# Altium PCB iMX53_BB_PCB_V1I2.PcbDoc (part 1 of 9) (continued)
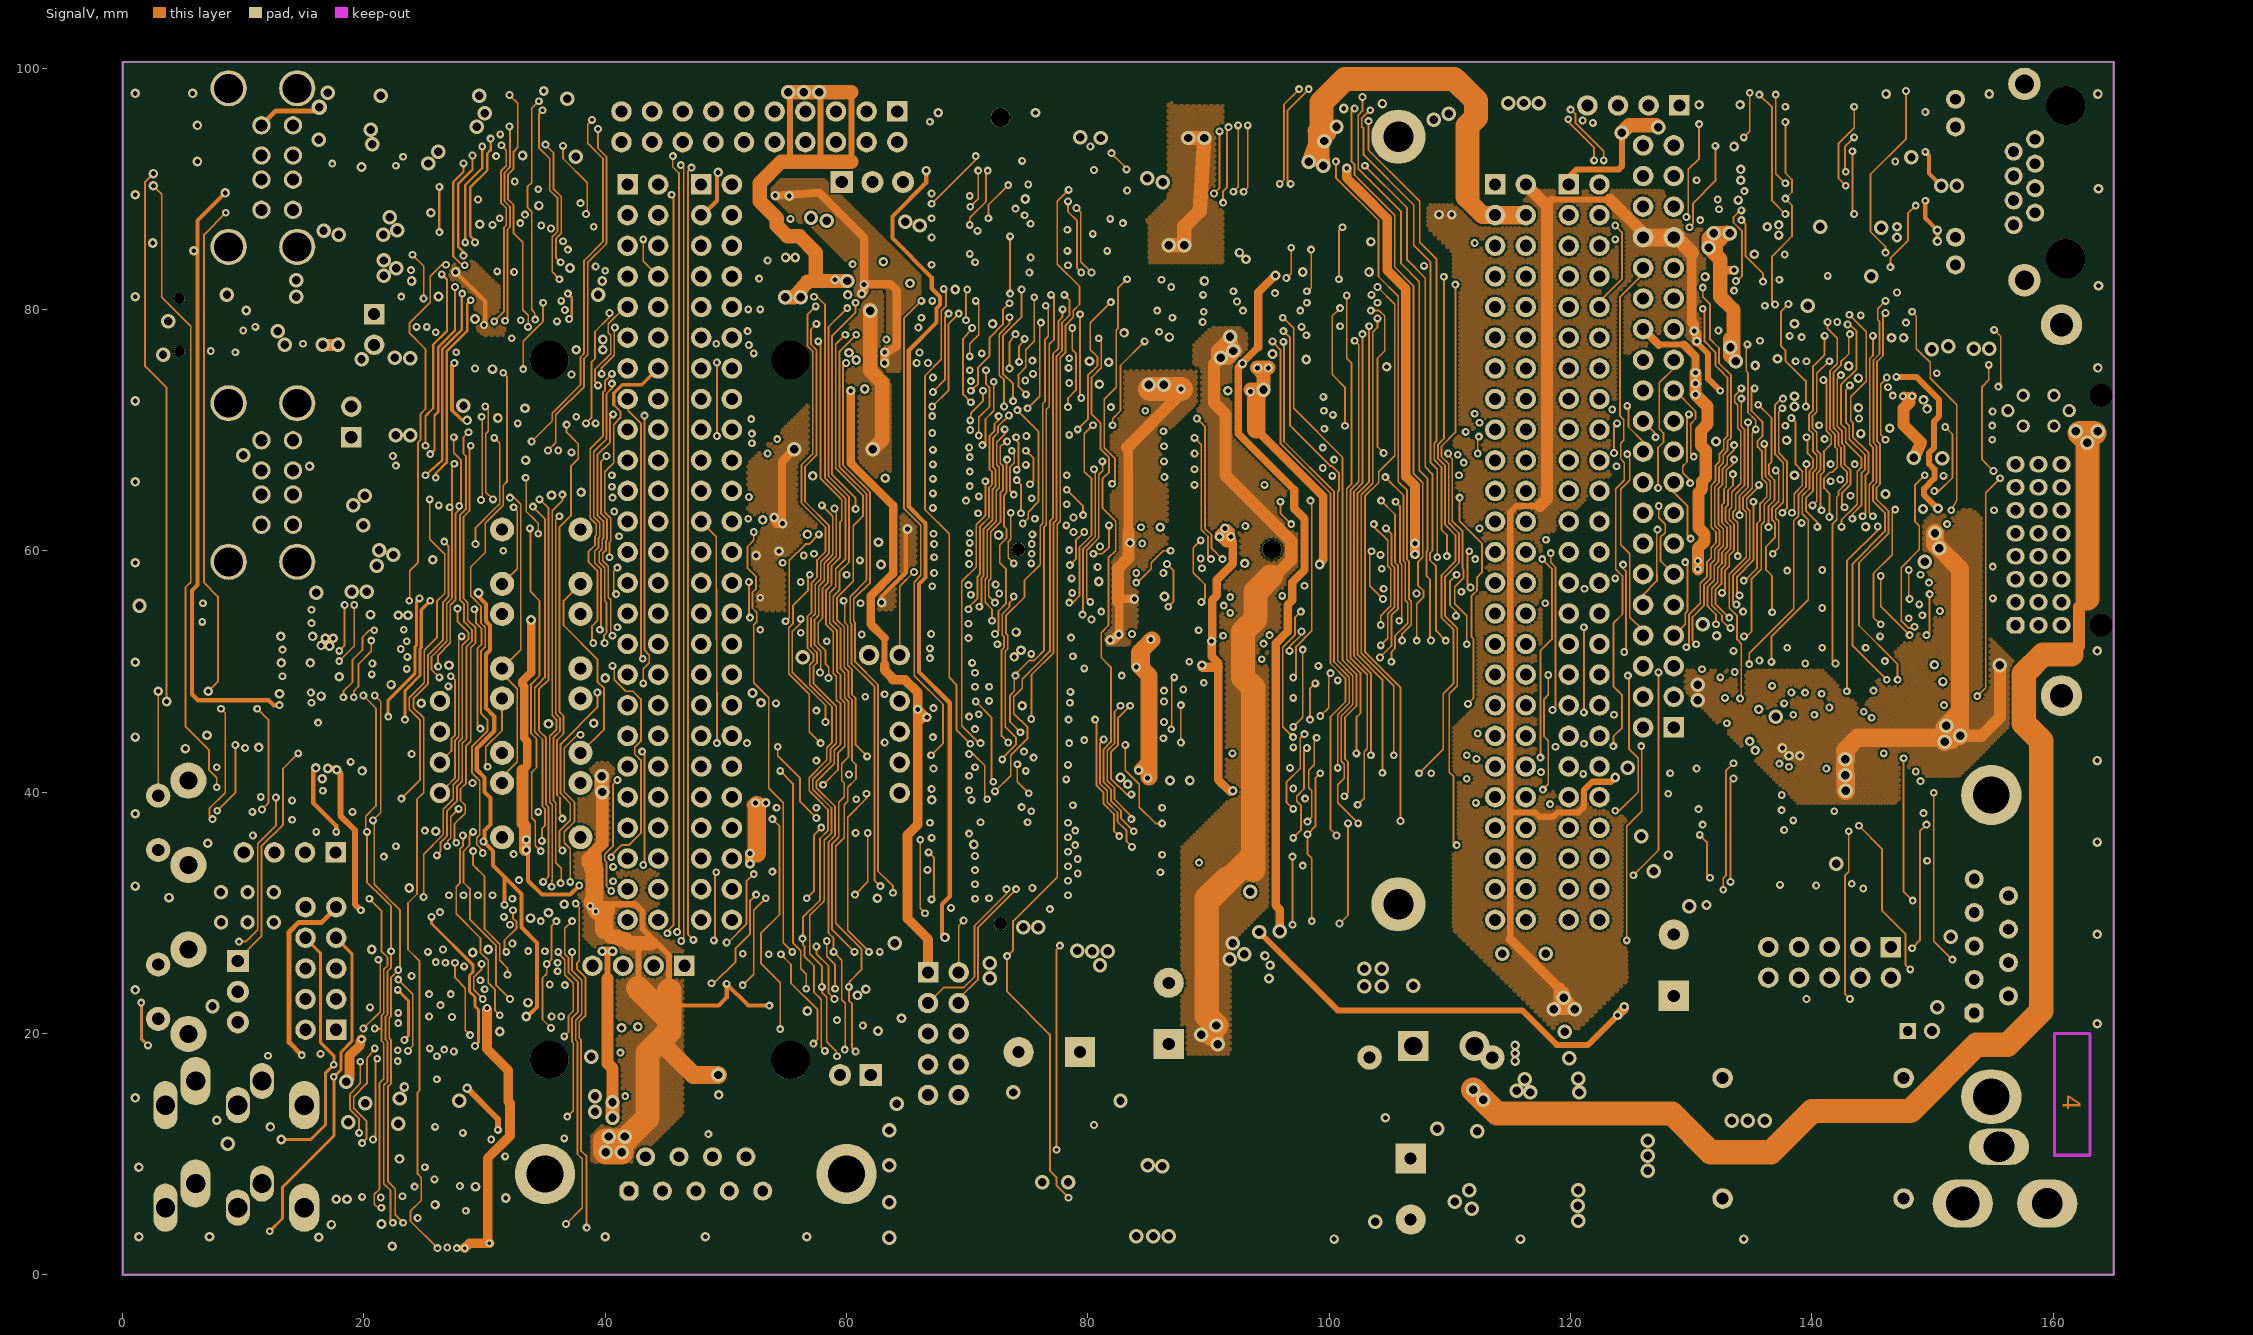
[diagram p4: SignalV]
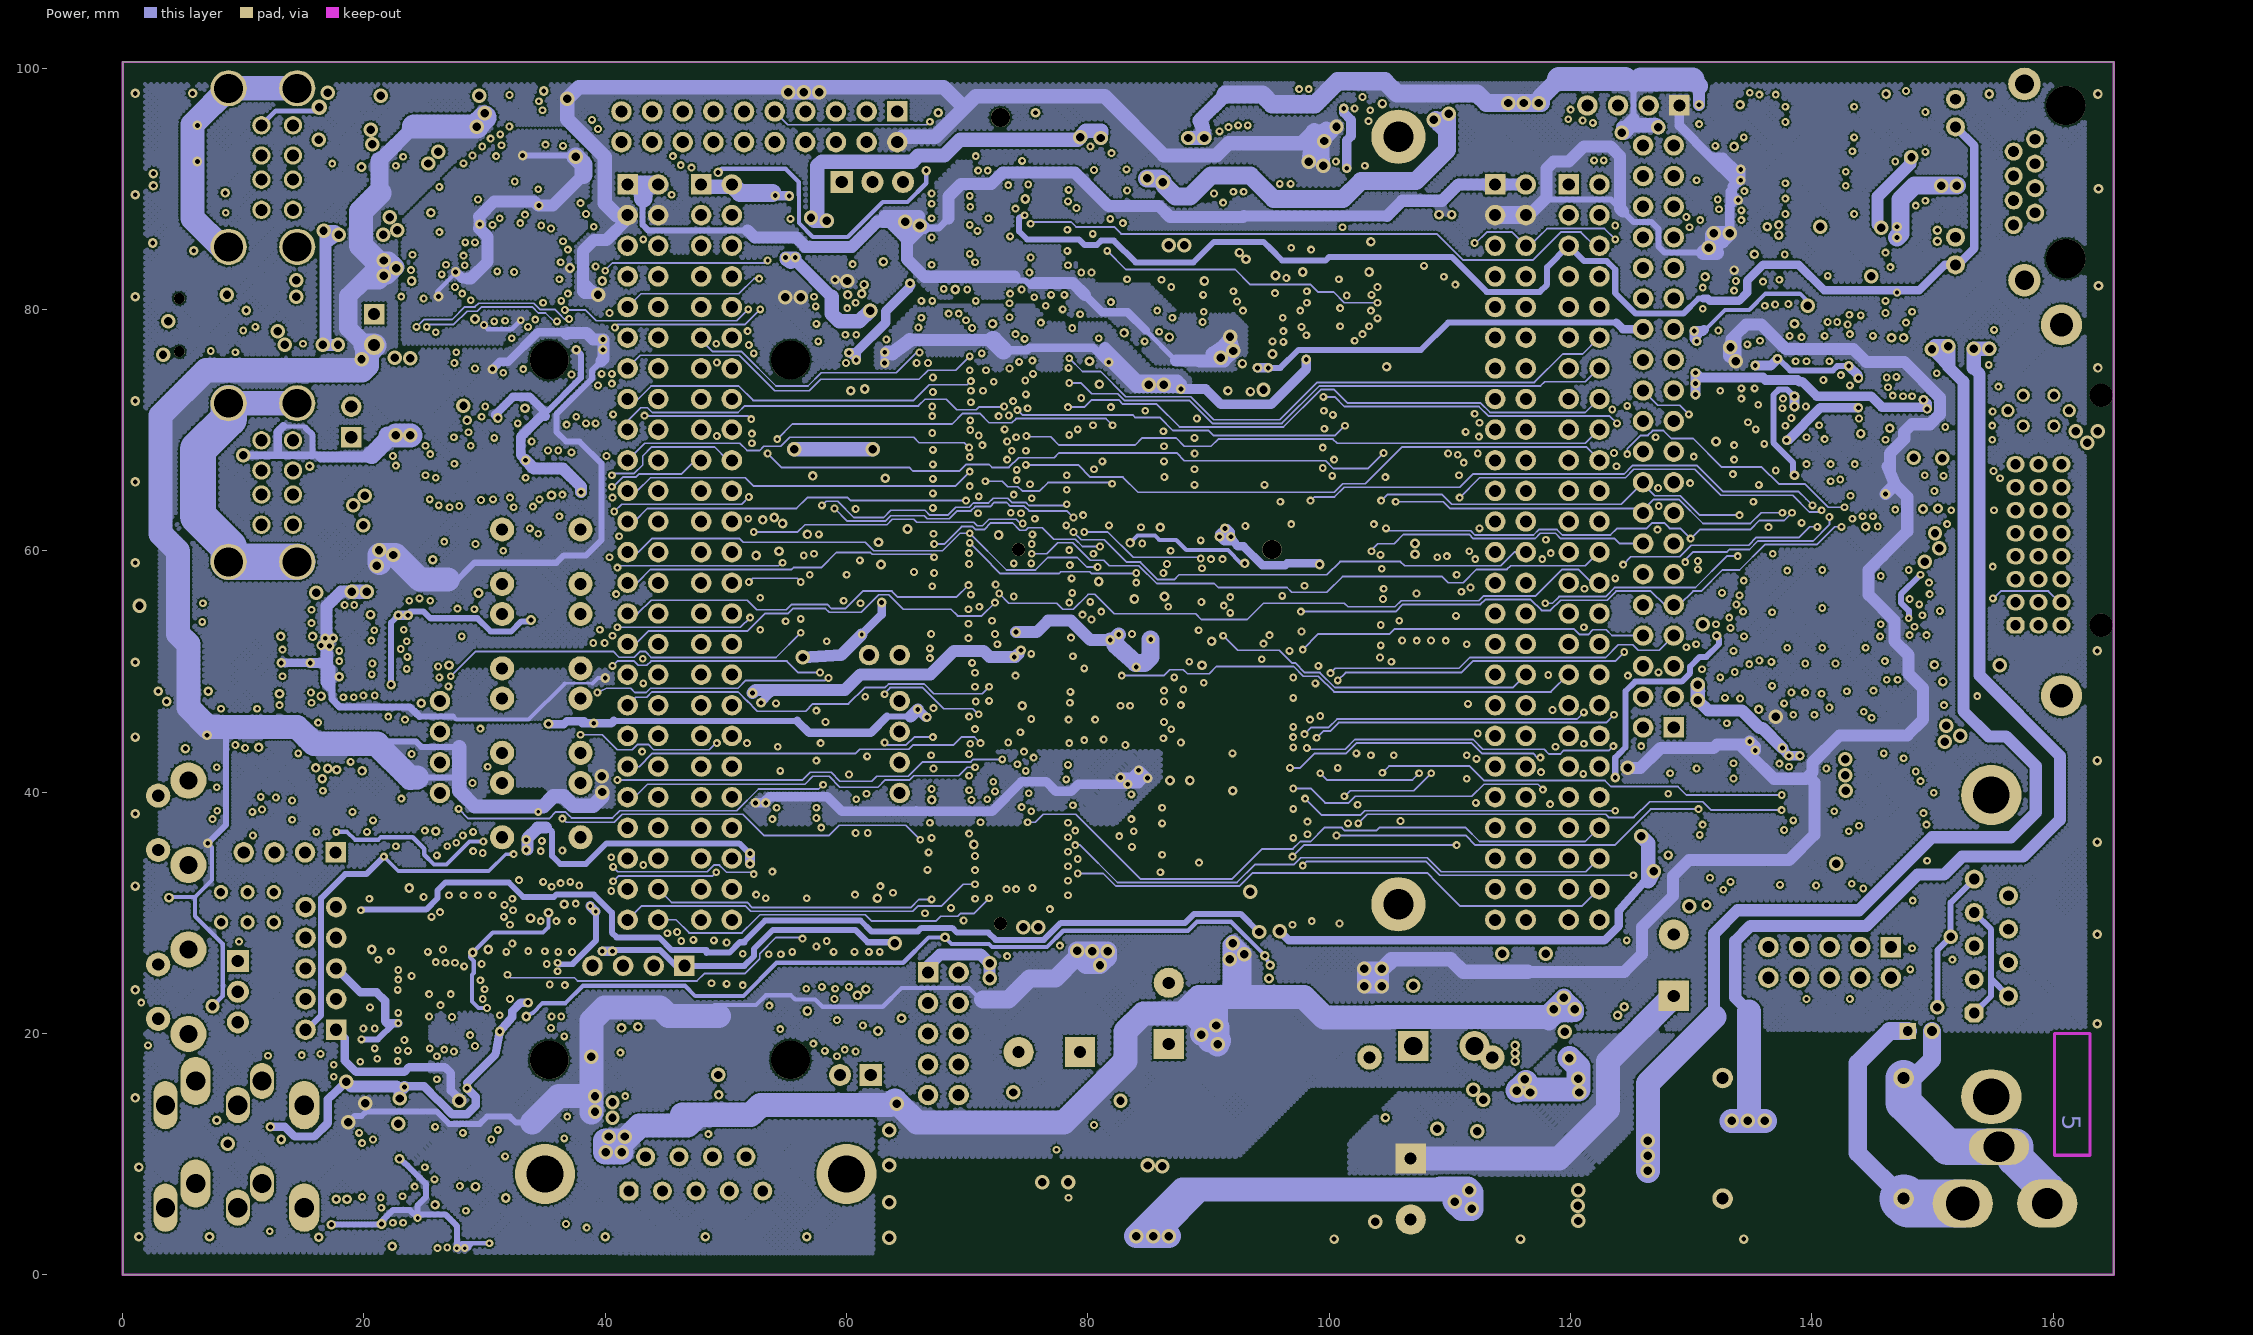
[diagram p5: Power]

## Layer stack, top to bottom
Top: signal copper 0.036
Dielectric: core 0.32, FR-4, Dk 4.8
GND: signal copper 0.036
Dielectric: prepreg 0.32, FR-4, Dk 4.8
SignalH: signal copper 0.036
Dielectric: core 0.32, FR-4, Dk 4.8
SignalV: signal copper 0.036
Dielectric: prepreg 0.32, FR-4, Dk 4.8
Power: signal copper 0.036
Dielectric: core 0.32, FR-4, Dk 4.8
Bottom: signal copper 0.036

## Board outline
0,0 165,0 165,100.5 0,100.5 0,0

## Design rules (kind name [scope] priority, off if disabled: settings)
AcuteAngle [OnLayer('Top Layer')] p1 off: minimum=9.00000000000000E+0001
Clearance "MID VCC Polygon keep" [OnLayer('Keep-Out Layer') vs (OnLayer('Power') AND (InNet('VUSB') OR InNet('VEPR') OR InNet('5V')OR InNet('PWR3')OR InNet('3V3') OR InNet('VMMC') OR InNet('VDDA') OR InNet('VAUD') OR InNet('VIN') OR InNet('VIO')) AND (IsArc OR IsTrack))] p1 off: gap=2.5
Clearance "TOP polygon" [((OnLayer('Top') OR OnLayer('Multi-Layer'))AND (IsVia OR IsPad OR IsTrack OR IsArc)) vs (OnLayer('Top') AND (InNet('CASE_GND') OR InNet('GND') OR InNet('VSSA') OR InNet('RFGND') OR InNet('VGND')) AND (IsArc OR IsTrack))] p2 off: gap=0.4
Clearance MID_VCC_polygon [((OnLayer('GND') OR OnLayer('Power') OR OnLayer('SignalV') OR OnLayer('Multi-Layer')) AND (IsVia OR IsPad OR IsTrack OR IsArc)) vs ((OnLayer('Power') OR OnLayer('SignalV') OR OnLayer('Bottom')) AND (InNet('VUSB') OR InNet('VEPR') OR InNet('5V')OR InNet('PWR3')OR InNet('3V3') OR InNet('VMMC') OR InNet('VDDA') OR InNet('VAUD') OR InNet('VIN') OR InNet('VIO') OR InNet('VSCR') OR InNet('VDVI')) AND (IsArc OR IsTrack))] p3 off: gap=0.2
Clearance "BOT Polygon keep" [OnLayer('Keep-Out Layer') vs (OnLayer('Bottom') AND (InNet('GND')) AND (IsArc OR IsTrack))] p4 off: gap=0.4
Clearance "TOP Polygon keep" [OnLayer('Keep-Out Layer') vs (OnLayer('Top') AND (InNet('GND')) AND (IsArc OR IsTrack))] p5 off: gap=0.35
Clearance "MID polygon" [((OnLayer('GND') OR OnLayer('Multi-Layer'))AND (IsVia OR IsPad OR IsTrack OR IsArc)) vs (OnLayer('GND') AND (InNet('CASE_GND') OR InNet('GND') OR InNet('VSSA') OR InNet('RFGND') OR InNet('VGND')) AND (IsArc OR IsTrack))] p6 off: gap=0.35
Clearance "MID Polygon keep" [OnLayer('Keep-Out Layer') vs (OnLayer('GND') AND (InNet('CASE_GND') OR InNet('GND') OR InNet('VSSA') OR InNet('RFGND') OR InNet('VGND')) AND (IsArc OR IsTrack))] p7 off: gap=0.35
Clearance "BOT polygon" [((OnLayer('Bottom') OR OnLayer('Multi-Layer'))AND (IsVia OR IsPad OR IsTrack OR IsArc)) vs (OnLayer('Bottom') AND (InNet('CASE_GND') OR InNet('GND') OR InNet('VSSA') OR InNet('RFGND') OR InNet('VGND')) AND (IsArc OR IsTrack))] p8 off: gap=0.3
Clearance [All] p9: gap=0.15
ComponentClearance [All] p1: gap=0.254 collisioncheckmode=0 verticalgap=0.254
HoleSize [All] p1: absolutevalues=TRUE maxlimit=3.2 minlimit=0.3 maxpercent=80.000 minpercent=20.000
PlaneClearance [All] p1: clearance=0.35
PlaneConnect [All] p1: planeconnectstyle=Relief reliefexpansion=0.5 reliefentries=4 reliefconductorwidth=0.25 reliefairgap=0.25
PolygonConnect [All] p1: connectstyle=Direct reliefconductorwidth=0.5 reliefentries=4 polygonreliefangle="90 Angle"
RoutingLayers Power1_1 [InNetClass('Power1')] p1: top layer_v5=TRUE mid layer 1_v5=TRUE mid layer 2_v5=FALSE mid layer 3_v5=FALSE mid layer 4_v5=TRUE bottom layer_v5=TRUE
RoutingLayers GND [InNet('GND')] p2: top layer_v5=TRUE mid layer 1_v5=TRUE mid layer 2_v5=FALSE mid layer 3_v5=FALSE mid layer 4_v5=FALSE bottom layer_v5=TRUE
RoutingLayers [All] p3: top layer_v5=TRUE mid layer 1_v5=FALSE mid layer 2_v5=TRUE mid layer 3_v5=TRUE mid layer 4_v5=FALSE bottom layer_v5=TRUE
RoutingTopology [All] p1: topology=Vertical
RoutingVias "Power vias" [InNetClass('Power1')] p1: holewidth=0.4 width=0.8 viastyle="Through Hole" minholewidth=0.3 minwidth=0.65 maxholewidth=0.7 maxwidth=1.2
RoutingVias [All] p2: holewidth=0.3 width=0.65 viastyle="Through Hole" minholewidth=0.3 minwidth=0.65 maxholewidth=2.5 maxwidth=3
SMDNeckDown [All] p1: percent=130.000
SolderMaskExpansion [All] p1: expansion=0.05
TestPointUsage [All] p1: valid=0 allowmultiple=FALSE
Testpoint [All] p1: side=15 testpointundercomponent=TRUE minsize=1.016 maxsize=2.54 preferedsize=1.524 minholesize=0 maxholesize=1.016 preferedholesize=0.813 testpointgrid=0.025 style=1023 order=0123456789
Width Power1 [InNetClass('Power1')] p1: maxlimit=5 minlimit=0.3 preferedwidth=0.35 toplayer_prefwidth=0.3 midlayer1_minwidth=0.35 midlayer2_minwidth=0.35 midlayer3_minwidth=0.35 midlayer4_minwidth=0.35 bottomlayer_minwidth=0.35 minimp=50.000000 maximp=50.000000 favimp=50.000000
Width [All] p2: maxlimit=5 minlimit=0.15 preferedwidth=0.15 toplayer_prefwidth=0.25 minimp=50.000000 maximp=50.000000 favimp=50.000000
13 further rules are at their usual default settings.

## Classes and differential pairs
net class EIM_A[16..26]: EIM_A16 EIM_A17 EIM_A18 EIM_A19 EIM_A20 EIM_A21 EIM_A22 EIM_A23 EIM_A24 EIM_A25 EIM_A26
net class LDD[0..23]: LDD0 LDD1 LDD2 LDD3 LDD4 LDD5 LDD6 LDD7 LDD8 LDD9 LDD10 LDD11 LDD12 LDD13 LDD14 LDD15 LDD16 LDD17 LDD18 LDD19 LDD20 LDD21 LDD22 LDD23
net class GPIO[0..11]: GPIO0 GPIO1 GPIO2 GPIO3 GPIO4 GPIO5 GPIO6 GPIO7 GPIO8 GPIO9 GPIO10 GPIO11
net class EIM_DA[0..15]: EIM_DA0 EIM_DA1 EIM_DA2 EIM_DA3 EIM_DA4 EIM_DA5 EIM_DA6 EIM_DA7 EIM_DA8 EIM_DA9 EIM_DA10 EIM_DA11 EIM_DA12 EIM_DA13 EIM_DA14 EIM_DA15
net class DISP1_DAT[0..23]: DISP1_DAT0 DISP1_DAT1 DISP1_DAT2 DISP1_DAT3 DISP1_DAT4 DISP1_DAT5 DISP1_DAT6 DISP1_DAT7 DISP1_DAT8 DISP1_DAT9 DISP1_DAT10 DISP1_DAT11 DISP1_DAT12 DISP1_DAT13 DISP1_DAT14 DISP1_DAT15 DISP1_DAT16 DISP1_DAT17 DISP1_DAT18 DISP1_DAT19 DISP1_DAT20 DISP1_DAT21 DISP1_DAT22 DISP1_DAT23
net class CSI1_D[0..7]: CSI1_D0 CSI1_D1 CSI1_D2 CSI1_D3 CSI1_D4 CSI1_D5 CSI1_D6 CSI1_D7
component class imxbbusb: B400 B401 B402 B403 B404 C400 C401 C402 C403 C404 C405 C406 C407 C408 C409 C410 C411 C412 C413 C414 C415 C417 C419 C420 C421 C422 C423 C424 H400 H401 J400 J401 J402 L400 L401 L402 L403 L404 L405 L406 L407 L408 L409 R400 R401 R402 R403 R404 R405 R406 R407 R408 R409 R410 R411 R412 R413 R414 R415 R416 R417 R418 R419 TP400 TP401 U400 U401 U402 U403 X400
component class imxbbpwr: B900 C900 C901 C902 C903 C904 C905 C906 C907 C908 C909 C910 C911 C912 C913 C914 C915 C916 C917 C918 C919 C920 C921 C922 C923 C924 C925 C926 C927 C928 D900 D901 D902 D903 D904 D905 H900 H902 J900 J901 L900 L901 L902 L903 L904 L905 L906 L907 L908 L909 P900 R900 R901 R902 R902P R903 R904 R905 R906 R907 R908 R909 R910 R912 SW900 SW901 SW902 SW903 SW904 SW905 T900 T901 TP900 TP901 TP902 TP903 U900 U901 U903 U904 X900 X901 ZD900
component class imxbbmmc: C600 C601 C602 C603 C604 C605 C606 C607 C608 C609 C610 C611 C612 C613 C614 C615 C616 C618 C619 C620 C621 C622 C623 C624 C625 C626 C627 C628 C629 C630 C631 C632 C633 C634 C635 C636 C637 J600 J601 J602 R600 R601 R602 R603 R604 R605 R606 R607 R608 R609 R610 R611 R612 R613 R614 R615 R616 R617 R618 R619 R620 R621 R622 R623 R624 R625 R626 R627 R631 R632 TP600 TP601 TP602 TP603 TP604 TP605 U600 U601 U602 U603 U604 U605 X600
component class imxbblcd: C200 C201 C202 C203 C204 C205 C206 C207 C208 C209 C210 C211 C212 C213 C214 C215 C216 C217 C218 C219 C220 C221 C222 C223 C224 C225 C226 H200 L200 L202 L203 L204 L205 L206 LH200 R200 R201 R202 R203 R204 R205 R206 R207 R208 R209 R210 R211 R212 R213 R214 R215 RN200 RN201 RN202 RN203 RN204 RN205 RN206 RN207 T200 T201 T202 T203 TP200 TP201 U200 U201 U202 U203 U204 U205 U206 U207 U208
component class imxbbdvi: B700 B701 B702 B703 B704 C700 C701 C702 C703 C704 C705 C706 C707 C708 C709 C710 C711 C712 C713 C714 C715 H700 J700 L700 L701 L702 L703 L704 L705 L706 R700 R701 R702 R703 R704 R705 R706 R707 R708 R709 R710 R711 R712 R713 R714 R715 R716 R717 R718 R719 R720 R722 R723 R724 R725 R726 R727 R728 TP700 TP701 U700 U701 U702
component class imxbbdimm: C100 C101 C102 C103 C104 C105 C106 C107 C108 C109 C110 C111 H100 H101 H102 H103 K100 R100 R101 R102 TP100 TP101 TP102 TP103 TP104 TP105
component class imxbbaudio: C300 C301 C302 C303 C304 C305 C306 C307 C308 C309 C310 C311 C312 C313 C314 C315 C316 C317 C318 C319 C320 C321 C322 C323 C324 C325 C326 C327 C328 C329 C330 C331 C333 C334 C335 C336 C337 C338 C340 H300 J300 J301 L300 L301 L302 L303 L304 L305 L306 L308 L309 L310 L311 L312 R300 R301 R302 R303 R304 R305 R306 R307 R308 R309 R310 R311 R312 R313 R314 R315 R316 R317 R318 R319 R320 R321 R322 TP300 TP301 U300 U301 U302 U303 U304 X300 Y300
component class imxbb232: C500 C501 C502 C503 C504 C505 C506 C507 C508 C509 C510 C511 C512 C513 C514 C515 C516 C517 C518 C519 C520 C521 C522 C523 C524 C525 C526 C527 H500 H501 J500 L500 L501 L502 L503 L504 L505 L506 L507 L508 L509 R500 R501 TP500 TP501 TP502 TP503 U500 U501 U502 U503 U504 U505 U506
component class imxbbnet: B800 C800 C801 C802 C803 C804 C805 C806 C807 C808 C809 H800 H801 J800 J801 L800 L801 L802 LD800 LD801 R800 R801 R802 R803 R804 R805 R806 R807 R808 R809 R810 R811 R812 R813 R814 R815 R816 R817 R818 R819 R820 T800 TP800 TP801 TR800 TS800 U800 U801 X800

## Components (designator, comment, footprint, x,y, rotation, side; value= is the part's Value field where it differs from the comment)
B400 "BGX50A" SOT143 10.45,78.4 r180 bottom
B401 "BGX50A" SOT143 22.95,92.45 r180 bottom
B402 "BGX50A" SOT143 17,91.7 r180 bottom
B403 "BGX50A" SOT143 22.45,67.6 r270 bottom
B404 "BGX50A" SOT143 17.2,65.5 r180 bottom
B700 "BGX50A" SOT143 163.1,56.65 r270 bottom
B701 "BGX50A" SOT143 153.05,57.35 r180 bottom
B702 "BGX50A" SOT143 153.05,54.15 r180 bottom
B703 "BGX50A" SOT143 163.1,64.3 r270 bottom
B704 "BGX50A" SOT143 154.3,63.3 r0 bottom
B800 "B82790S 51uH" B82790 42.75,20.95 r180 top
B900 "BR1225" BR1225 113.5,18 r180 top
C100 "NFM18PC105R0J3" NFM18P 80.3,92.55 r0 top
C101 "NFM18PC105R0J3" NFM18P 80.7,90.6 r0 top
C102 "NFM18PC105R0J3" NFM18P 81.9,89.1 r0 top
C103 "10u" 0805 135.3,85.7 r180 top
C104 "10u" 0805 31.3,76 r180 top
C105 "10u" 0805 138.4,78.9 r180 top
C106 "10u" 0805 53.65,80 r90 top
C107 "10u" 0805 110.45,93.5 r0 top
C108 "10u" 0805 84.6,76.35 r0 top
C109 "10u" 0805 148.1,64.9 r180 top
C110 "10u" 0805 55.3,90.5 r180 top
C111 "10u" 0805 76.15,26.1 r0 top
C200 "10u" 0805 150.55,72.9 r270 top
C201 "100n" 0603 149,74.4 r270 top
C202 "100n" 0603 147.7,74.4 r270 top
C203 "100n" 0603 147.2,67.5 r270 top
C204 "100n" 0603 145.9,67.5 r270 top
C205 "10u" 0805 147.7,71 r90 top
C206 "10u" 0805 12.2,23.85 r270 top
C207 "100n" 0603 92.5,74.05 r0 top
C208 "100n" 0603 88.5,74.1 r180 top
C209 "10u" 0805 110.5,13.15 r90 bottom
C210 "100n" 0603 113.75,12.7 r90 bottom
C211 "10u" 0805 115.8,24.05 r270 bottom
C212 "100n" 0603 117.55,24 r270 bottom
C213 "100n" 0603 98.4,59.8 r0 top
C214 "100n" 0603 93.05,60.55 r270 top
C215 "100n" 0603 132.35,51.15 r90 bottom
C216 "150p" 0603 153,73.6 r0 top
C217 "150p" 0603 152.95,67.1 r0 top
C218 "100n" 0603 89.2,51.65 r0 top
C219 "100n" 0603 86,51.65 r180 top
C220 "100n" 0603 89.25,41.9 r0 top
C221 "100n" 0603 85.95,41.9 r180 top
C222 "10u" 3216A 131.95,66.45 r270 top
C223 "10u" 3216A 131.85,56.85 r90 top
C224 "100n" 0603 12.05,20.5 r90 top
C225 "100n" 0603 7.2,91.75 r90 bottom
C226 "10u" 0805 4.2,85.5 r0 bottom
C300 "100n" 0603 33.55,33.5 r90 bottom
C301 "100n" 0603 36.3,28.1 r180 bottom
C302 "100n" 0603 21.8,21.35 r90 top
C303 "6p8" 0603 31.05,18.1 r0 top
C304 "1u" 0603 21.1,24.35 r0 top
C305 "100n" 0603 31.15,23.3 r270 top
C306 "1u" 0603 21.1,25.7 r0 top
C307 "150p" 0603 2.9,16.85 r0 bottom
C308 "150p" 0603 8.95,16.7 r0 bottom
C309 "1u" 0603 21.1,17.2 r0 top
C310 "1u" 0603 21.1,18.6 r0 top
C311 "100n" 0603 26.05,16.35 r90 top
C312 "22n" 0603 27.05,32.85 r270 bottom
C313 "22n" 0603 29.45,32.85 r270 bottom
C314 "22n" 0603 28.25,32.85 r270 bottom
C315 "22n" 0603 30.65,32.85 r270 bottom
C316 "150p" 0603 6.7,10.65 r180 bottom
C317 "150p" 0603 9.05,8.9 r270 bottom
C318 "10u" 0805 25.45,13.85 r0 top
C319 "1u" 0603 28.8,17.45 r270 top
C320 "100n" 0603 30.3,12.6 r180 top
C321 "100n" 0603 24.4,16.35 r90 top
C322 "100n" 0603 30.1,20.3 r90 top
C323 "100n" 0603 32.1,32.85 r90 bottom
C324 "100n" 0603 28.8,28.05 r180 bottom
C325 "100n" 0603 27.6,5.3 r270 top
C326 "10u" 0805 29.2,5.55 r270 top
C327 "100n" 0603 30.9,5.5 r270 top
C328 "100n" 0603 27.35,11.75 r270 bottom
C329 "330n" 0603 30.9,9 r270 top
C330 "330n" 0603 29.55,10.4 r270 top
C331 "100n" 0603 24.85,35.65 r0 top
C333 "10u" 0805 31.75,25.85 r0 top
C334 "100n" 0603 32.75,38.1 r0 bottom
C335 "100p" 0603 20.5,9.1 r90 top
C336 "24p" 0603 19.25,7.9 r270 top
C337 "100n" 0603 24.85,10.4 r270 bottom
C338 "NFM18PC105R0J3" NFM18P 23.55,10.6 r270 bottom
C340 "10u" 0805 22.2,3.1 r180 top
C400 "100u" CTANTALD 17,78.7 r270 top
C401 "100u" CTANTALD 11.8,78.65 r270 top
C402 "100n" 0603 7.25,78.7 r90 bottom
C403 "10u" 0805 17.4,80.6 r270 bottom
C404 "100u" CTANTALD 18.95,93.5 r270 top
C405 "100u" CTANTALD 23.7,93.5 r270 top
C406 "100u" CTANTALD 18.75,62.85 r90 top
C407 "100u" CTANTALD 23.45,67.85 r90 top
C408 "100n" 0603 38.3,86.2 r180 bottom
C409 "100n" 0603 38.75,83.45 r270 bottom
C410 "10u" 0805 38.75,83.45 r270 top
C411 "100n" 0603 32.2,91.9 r0 bottom
C412 "100n" 0603 25.65,81.95 r0 top
C413 "100n" 0603 26.8,79.55 r90 bottom
C414 "100n" 0603 32.45,82.35 r0 bottom
C415 "1u" 0603 105.35,85.85 r90 top
C417 "100n" 0603 27.85,91.15 r180 bottom
C419 "1u" 0603 32.55,89.2 r0 bottom
C420 "100n" 0603 27.85,87.25 r0 bottom
C421 "1u" 0603 32.15,77.65 r0 top
C422 "100n" 0603 31.5,80.2 r0 bottom
C423 "33p" 0603 27.8,88.6 r0 bottom
C424 "33p" 0603 36.3,88.9 r180 bottom
C500 "150p" 0603 141.85,30.75 r90 top
C501 "150p" 0603 140.35,30.75 r270 top
C502 "150p" 0603 141,21.85 r0 top
C503 "150p" 0603 138.05,21.85 r180 top
C504 "150p" 0603 150.4,24.4 r90 top
C505 "150p" 0603 150.4,27.2 r270 top
C506 "150p" 0603 149,27.4 r270 top
C507 "150p" 0603 150.4,30 r270 top
C508 "100n" 0603 90.85,84.55 r180 top
C509 "100n" 0603 94.85,84.55 r0 top
C512 "100n" 0603 62.25,83 r180 top
C513 "100n" 0603 60.25,74.25 r180 top
C514 "100n" 0603 138.25,35.25 r270 top
C515 "100n" 0603 126.55,34.85 r180 top
C516 "100n" 0603 147.75,34.7 r270 top
C517 "100n" 0603 147.75,37.9 r270 top
C518 "100n" 0603 136.55,35.35 r270 top
C519 "100n" 0603 136.55,38.45 r270 top
C520 "100n" 0603 145.75,31.55 r0 top
C521 "100n" 0603 147.75,40.9 r270 top
C522 "100n" 0603 130.95,31.9 r0 top
C523 "100n" 0603 136.55,41.75 r270 top
C524 "10u" 0805 65.25,83.9 r270 top
C525 "10u" 0805 127.2,31.9 r180 top
C526 "100n" 0603 99.05,74.55 r180 top
C527 "100n" 0603 102.8,74.55 r0 top
C600 "100n" 0603 29.3,73.4 r0 bottom
C601 "100n" 0603 34.5,66.7 r90 bottom
C602 "100n" 0603 22.85,47.35 r180 top
C603 "100n" 0603 16.95,54.7 r270 bottom
C604 "100n" 0603 14.3,50.5 r90 bottom
C605 "100n" 0603 16.5,50.25 r90 bottom
C606 "100n" 0603 80.925,76.475 r0 top
C607 "10u" 0805 53.5,60.45 r270 top
C608 "10u" 0805 58.4,51.5 r180 top
C609 "100n" 0603 53.5,60.5 r270 bottom
C610 "100n" 0603 63.8,58.15 r270 bottom
C611 "10u" 0805 66.05,60.3 r90 top
C612 "100n" 0603 66.05,60.3 r90 bottom
C613 "2u2" 0603 61.05,42.05 r0 top
C614 "1u" 0603 60.05,46.55 r180 top
C615 "100n" 0603 59.05,42.85 r90 top
C616 "100n" 0603 60.05,47.85 r180 top
C618 "100n" 0603 65.45,54.5 r180 top
C619 "100n" 0603 65.45,55.85 r180 top
C620 "100n" 0603 60.15,56.9 r0 bottom
C621 "100n" 0603 60.15,58.2 r0 bottom
C622 "33p" 0603 61,43.65 r0 top
C623 "33p" 0603 62.25,47.15 r270 top
C624 "100n" 0603 83.1,53.95 r180 top
C625 "100n" 0603 85.2,62.8 r0 top
C626 "100n" 0603 85.1,54.65 r90 bottom
C627 "100n" 0603 74.15,52.35 r0 bottom
C628 "100n" 0603 59.15,54.5 r0 top
C629 "100n" 0603 59.15,53.2 r0 top
C630 "33p" 0603 63.1,67.2 r180 top
C631 "33p" 0603 57.15,67.2 r0 top
C632 "22n" 0603 55.65,60.15 r270 bottom
C633 "10u" 0805 26.8,69.4 r90 top
C634 "10u" 0805 27,53.2 r90 top
C635 "10u" 0805 88.65,63.1 r180 top
C636 "10u" 0805 16.5,50.25 r90 top
C637 "10u" 0805 16.95,54.7 r270 top
C700 "100n" 0603 135.85,47.65 r0 bottom
C701 "100n" 0603 144.2,45.45 r180 bottom
C702 "100n" 0603 148.75,60.95 r90 top
C703 "100n" 0603 150.85,50.8 r90 top
C704 "100n" 0603 151.55,55.85 r0 top
C705 "100n" 0603 150.75,57.95 r270 top
C706 "100n" 0603 132.75,82.6 r90 bottom
C707 "100n" 0603 136.55,85.1 r0 bottom
C708 "150p" 0603 153.7,61.2 r270 top
C709 "150p" 0603 153.7,64.1 r90 top
C710 "100n" 0603 132.4,97.5 r180 top
C711 "100n" 0603 132.15,88.35 r180 bottom
C712 "150p" 0603 122.5,94.05 r90 bottom
C713 "150p" 0603 120.8,94.15 r90 bottom
C714 "NFM18PC105R0J3" NFM18P 133.1,46.95 r180 top
C715 "10u" 0805 149.2,49.65 r270 top
C800 "100n" 0603 64,29.3 r270 bottom
C801 "100n" 0603 50.8,25.25 r180 bottom
C802 "33p" 0603 55.95,38.75 r180 bottom
C803 "33p" 0603 55.95,46.75 r180 bottom
C804 "22n" 0603 136.05,88.45 r90 bottom
C805 "1000pF/2kV" 1n 143.5,83.1 r270 top
C806 "NFM18PC105R0J3" NFM18P 41.25,15.65 r180 top
C807 "10u" 0805 62.85,22.6 r0 top
C808 "100n" 0603 139.4,85.25 r180 top
C809 "100n" 0603 61.2,29.3 r270 bottom
C900 "100uF/63V" EC5/10 106.75,7.1 r270 top
C901 "100uF/63V" EC5/10 128.55,25.65 r90 top
C902 "220u" EC5/10 76.8,18.45 r180 top
C903 "220m" SC5/13 109.5,18.95 r0 top
C904 "100n" 0603 81.3,13.1 r180 top
C905 "1u" 0603 12.85,44.45 r0 bottom
C906 "100n" 0603 12.85,43 r180 bottom
C907 "100n" 0603 83.6,8.45 r90 top
C908 "10n" 0603 4.65,23.45 r270 bottom
C909 "22p" 0603 17.55,40.1 r270 bottom
C910 "22p" 0603 19.85,40.1 r270 bottom
C911 "100n" 0603 24.7,61 r90 top
C912 "100n" 0603 127.2,20.6 r180 bottom
C913 "100n" 0603 4.65,37.45 r90 bottom
C914 "NFM18PC105R0J3" NFM18P 93.7,24.55 r90 top
C915 "220n" 1206 128.05,13.2 r180 top
C916 "100n" 1206 122.7,12.8 r90 bottom
C917 "100n" 1206 103.8,7.15 r270 bottom
C918 "1n" 0805 115.55,12.7 r90 top
C919 "4u7/100V" EC2/5 148.95,20.2 r0 top
C920 "100n" 0603 85.7,13.55 r0 top
C921 "100n" 0603 152.6,75.6 r0 top
C922 "10n" 0603 148.55,82.85 r0 top
C923 "220u" EC5/10 86.7,21.65 r90 top
C924 "10u" 0805 92.05,29.9 r270 bottom
C925 "10u" 0805 132.2,82.8 r90 top
C926 "10u" 0805 62.85,19.3 r0 top
C927 "100n" 0603 123.5,23.1 r270 bottom
C928 "10u" 0805 125.2,24.1 r270 bottom
D900 "GW4002" MELF 125.7,10.25 r0 top
D901 "GW4002" MELF 118.65,6.25 r270 top
D902 "BAR43C" SOT23 33.85,59.65 r180 bottom
D903 "SK26A" SMB 86.5,8.2 r180 top
D904 "BAR43C" SOT23 122.5,18.4 r270 bottom
D905 "BAR43C" SOT23 29.2,38.6 r0 top
H100 "H25X2" H2x25 41.85,90.35 r0 top locked
H101 "H25X2" H2x25 47.95,90.35 r0 top locked
H102 "H25X2" H2x25 113.75,90.35 r0 top locked
H103 "H25X2" H2x25 119.85,90.35 r0 top locked
H200 "H20X2" H2x20 128.55,45.35 r180 top locked
H300 "H5X2" H2x5 17.7,20.3 r180 top
H400 "H2" H1x2#1 20.85,79.6 r270 top
H401 "HSEL" H1x2#1 18.95,69.4 r90 top
H500 "H5X2" H2x5 146.55,27.15 r270 top
H501 "H5X2" H2x5 66.75,25.05 r0 top
H700 "H4" H1x4 125.2,96.9 r180 top
H800 "H4" H1x4 42.75,25.6 r180 top
H801 "ALT" H1x2#2 62,16.55 r180 top
H900 "H4" H1x4 13.85,35 r180 top
H902 "BOOTMODE" H1x3 59.6,90.55 r0 top
J300 "SJ3523" SJ35_NS 9.3,15.05 r90 top locked
J301 "SJ3523" SJ35_NS 9.3,6.55 r90 top locked